# Altium PCB PCB22.PcbDoc (part 7 of 16) (continued)
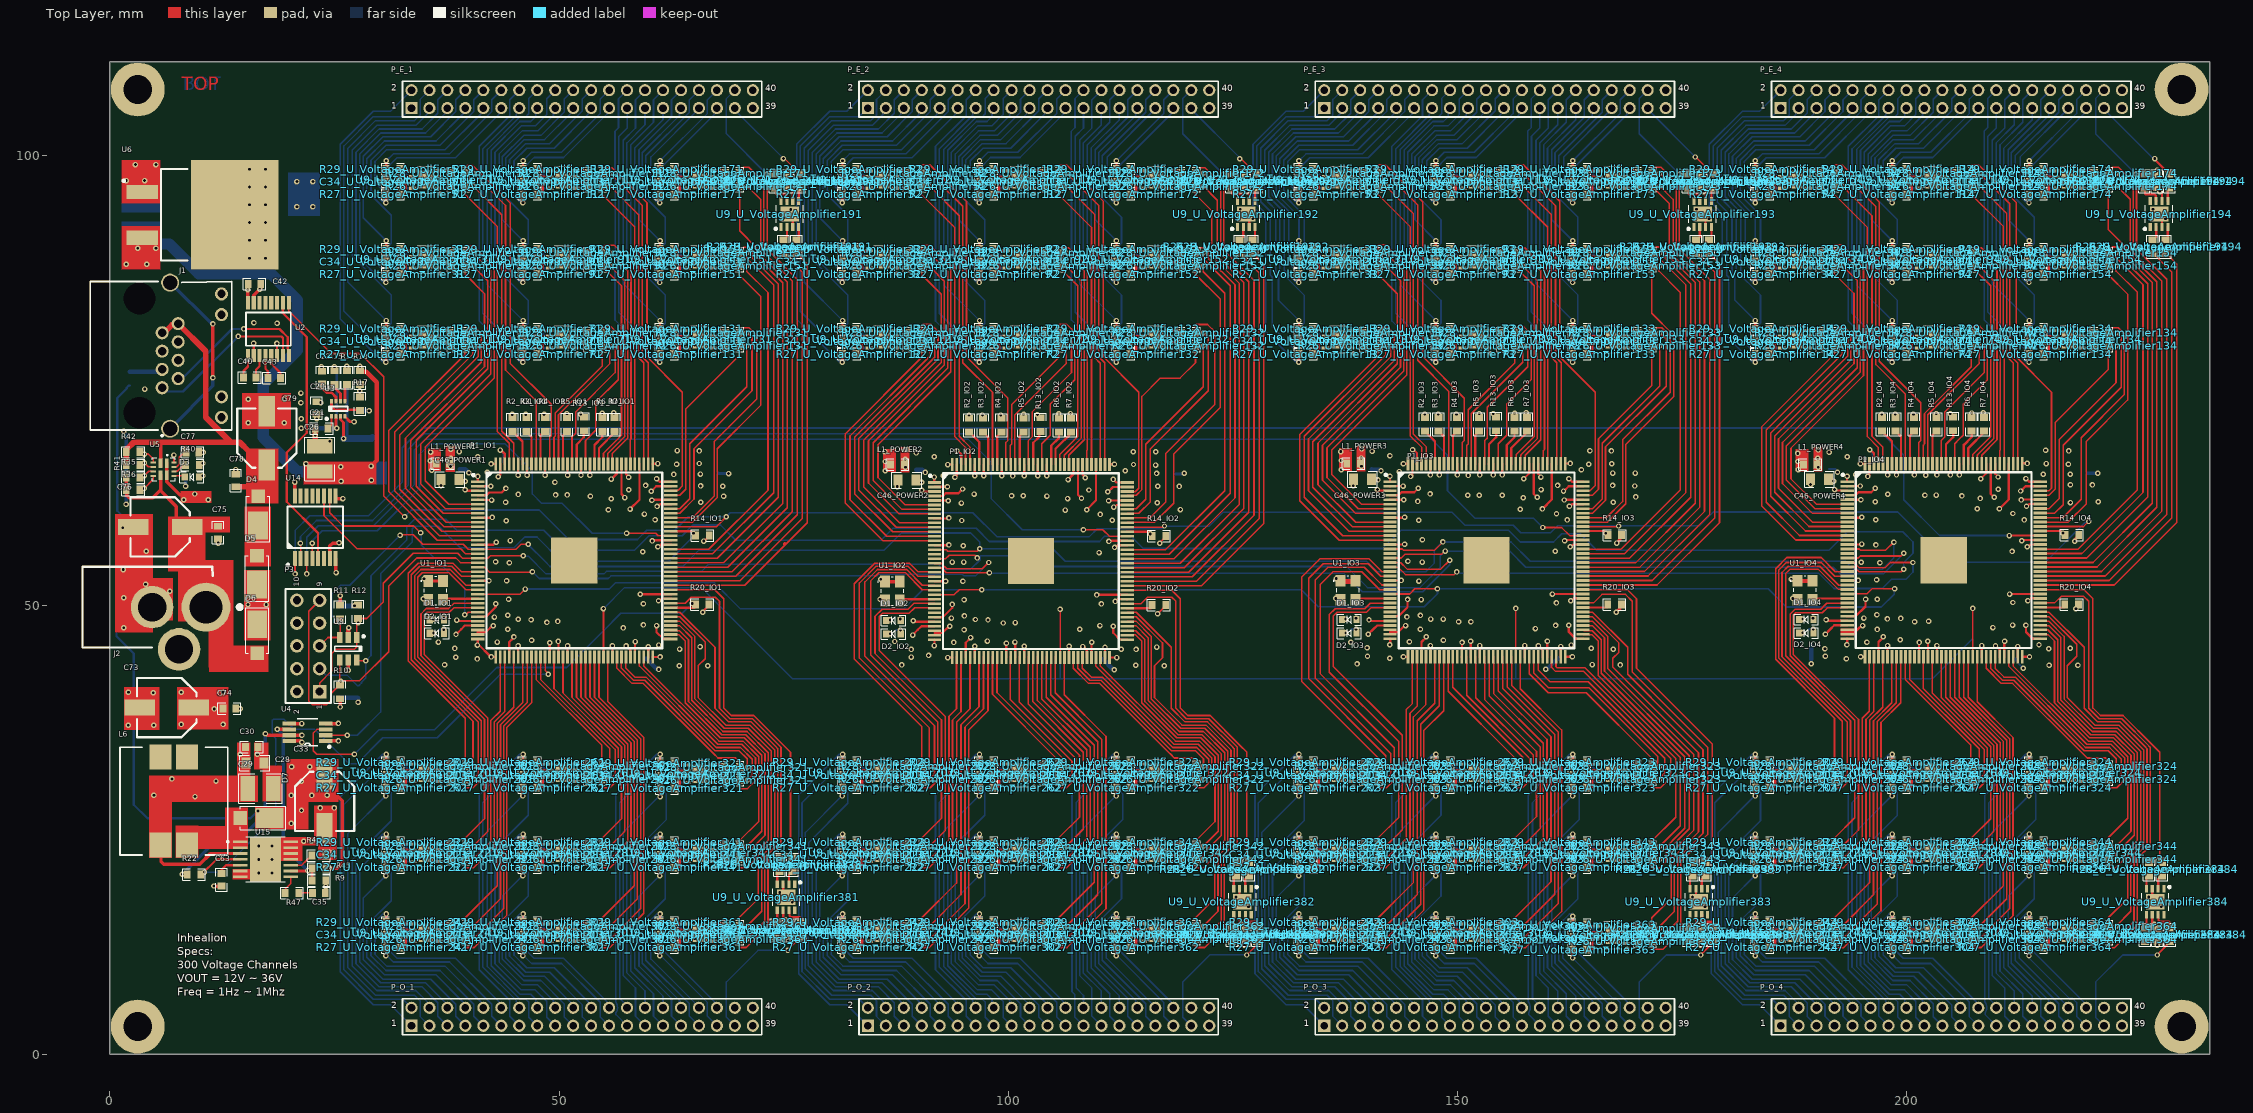
[diagram p0: Top Layer view]
## Nets (pads, with @x,y where several pads share a name; then routed paths per layer and width w, separated by ;. In a path a pad name is that pad's centre, name@x,y a point inside that pad or via, vN(x,y) a via of type N, cw(c..) or ccw(c..) an arc to the next point about the centre after c; other vN are vias at no path point) (continued)
GPIO_25_IO2: P1_IO2.100 R28_U_VoltageAmplifier132.1 | length 29.6
  Top Layer w0.178: P1_IO2.100@113.22,59.729 115.764,59.729 117.514,61.478 117.514,66.892 122.959,72.338 122.959,80.456 122.167,81.248 120.934,81.248 120.83,81.143 R28_U_VoltageAmplifier132.1@120.83,80.319
GPIO_25_IO3: P1_IO3.100 R28_U_VoltageAmplifier133.1 | length 28.4
  Top Layer w0.178: P1_IO3.100@164.02,59.729 166.564,59.729 168.369,61.533 168.369,68.402 173.677,73.71 173.677,79.944 172.73,80.891 172.138,80.891 171.63,80.383 R28_U_VoltageAmplifier133.1@171.63,80.319
  Top Layer w0.254: R28_U_VoltageAmplifier133.1@171.63,80.319 R28_U_VoltageAmplifier133.1@171.642,80.331
GPIO_25_IO4: P1_IO4.100 R28_U_VoltageAmplifier134.1 | length 28.2
  Top Layer w0.178: P1_IO4.100@214.82,59.729 217.364,59.729 219.415,61.78 219.415,68.649 224.221,73.454 224.221,80.201 223.53,80.891 222.938,80.891 222.43,80.383 R28_U_VoltageAmplifier134.1@222.43,80.319
  Top Layer w0.254: R28_U_VoltageAmplifier134.1@222.43,80.319 R28_U_VoltageAmplifier134.1@222.442,80.331
GPIO_26_IO1: P1_IO1.101 R26_U_VoltageAmplifier141.1 | length 25.5
  Top Layer w0.178: P1_IO1.101@62.42,60.229 63.427,60.229 65.013,61.815 65.013,67.407 71.465,73.859 71.465,79.748 v1(70.894,80.319)
  Bottom Layer w0.254: R26_U_VoltageAmplifier141.1@70.03,80.319 v1(70.894,80.319)
GPIO_26_IO2: P1_IO2.101 R26_U_VoltageAmplifier142.1 | length 25.7
  Top Layer w0.178: P1_IO2.101@113.22,60.229 114.52,60.229 115.813,61.522 115.813,67.407 122.265,73.859 122.265,79.748 v1(121.694,80.319)
  Bottom Layer w0.254: R26_U_VoltageAmplifier142.1@120.83,80.319 v1(121.694,80.319)
GPIO_26_IO3: P1_IO3.101 R26_U_VoltageAmplifier143.1 | length 25.7
  Top Layer w0.178: P1_IO3.101@164.02,60.229 165.027,60.229 166.471,61.673 166.471,67.632 173.215,74.376 173.215,79.598 v1(172.494,80.319)
  Bottom Layer w0.254: R26_U_VoltageAmplifier143.1@171.63,80.319 v1(172.494,80.319)
GPIO_26_IO4: P1_IO4.101 R26_U_VoltageAmplifier144.1 | length 25.9
  Top Layer w0.178: P1_IO4.101@214.82,60.229 216.448,60.229 217.413,61.194 217.413,67.801 223.865,74.253 223.865,79.748 v1(223.294,80.319)
  Bottom Layer w0.254: R26_U_VoltageAmplifier144.1@222.43,80.319 v1(223.294,80.319)
GPIO_27_IO1: P1_IO1.102 R28_U_VoltageAmplifier141.1 | length 23.1
  Top Layer w0.178: P1_IO1.102@62.42,60.729 63.424,60.729 64.537,61.842 64.537,67.963 70.894,74.32 v1(70.894,78.872)
  Bottom Layer w0.254: R28_U_VoltageAmplifier141.1@70.03,78.872 v1(70.894,78.872)
GPIO_27_IO2: P1_IO2.102 R28_U_VoltageAmplifier142.1 | length 23.1
  Top Layer w0.178: P1_IO2.102@113.22,60.729 114.224,60.729 115.28,61.785 115.28,67.913 121.694,74.327 v1(121.694,78.872)
  Bottom Layer w0.254: R28_U_VoltageAmplifier142.1@120.83,78.872 v1(121.694,78.872)
GPIO_27_IO3: P1_IO3.102 R28_U_VoltageAmplifier143.1 | length 23.1
  Top Layer w0.178: P1_IO3.102@164.02,60.729 165.024,60.729 166.115,61.82 166.115,68.022 172.494,74.4 v1(172.494,78.872)
  Bottom Layer w0.254: R28_U_VoltageAmplifier143.1@171.63,78.872 v1(172.494,78.872)
GPIO_27_IO4: P1_IO4.102 R28_U_VoltageAmplifier144.1 | length 23.1
  Top Layer w0.178: P1_IO4.102@214.82,60.729 215.824,60.729 216.978,61.883 216.978,68.432 223.294,74.748 v1(223.294,78.872)
  Bottom Layer w0.254: R28_U_VoltageAmplifier144.1@222.43,78.872 v1(223.294,78.872)
GPIO_28_IO1: P1_IO1.99 R26_U_VoltageAmplifier151.1 | length 35.1
  Top Layer w0.178: P1_IO1.99@62.42,59.229 64.845,59.229 67.599,61.983 67.599,67.417 72.462,72.28 72.462,84.345 70.018,86.789 70.018,87.75 R26_U_VoltageAmplifier151.1@70.03,87.762
GPIO_28_IO2: P1_IO2.99 R26_U_VoltageAmplifier152.1 | length 35.8
  Top Layer w0.178: P1_IO2.99@113.22,59.229 116.277,59.229 118.399,61.351 118.399,66.83 123.581,72.012 123.581,84.071 120.818,86.833 R26_U_VoltageAmplifier152.1@120.818,87.75
  Top Layer w0.254: R26_U_VoltageAmplifier152.1@120.818,87.75 R26_U_VoltageAmplifier152.1@120.83,87.762
GPIO_28_IO3: P1_IO3.99 R26_U_VoltageAmplifier153.1 | length 35.2
  Top Layer w0.178: P1_IO3.99@164.02,59.229 166.665,59.229 168.722,61.286 168.722,61.384 168.724,61.386 168.724,67.891 174.046,73.213 174.046,80.078 171.618,82.506 R26_U_VoltageAmplifier153.1@171.618,87.75
  Top Layer w0.254: R26_U_VoltageAmplifier153.1@171.618,87.75 R26_U_VoltageAmplifier153.1@171.63,87.762
GPIO_28_IO4: P1_IO4.99 R26_U_VoltageAmplifier154.1 | length 35.3
  Top Layer w0.178: P1_IO4.99@214.82,59.229 217.923,59.229 219.999,61.305 219.999,68.254 224.576,72.832 224.576,84.626 222.473,86.73 222.473,87.719 R26_U_VoltageAmplifier154.1@222.43,87.762
GPIO_29_IO1: P1_IO1.91 R28_U_VoltageAmplifier151.1 | length 45.4
  Top Layer w0.178: P1_IO1.91@62.42,55.229 62.425,55.224 67.61,55.224 74.395,62.009 74.395,85.74 71.527,88.608 71.527,89.422 71.102,89.847 70.51,89.847 70.002,89.339 R28_U_VoltageAmplifier151.1@70.002,89.275
  Top Layer w0.254: R28_U_VoltageAmplifier151.1@70.002,89.275 R28_U_VoltageAmplifier151.1@70.014,89.287
GPIO_29_IO2: P1_IO2.91 R28_U_VoltageAmplifier152.1 | length 45.4
  Top Layer w0.178: P1_IO2.91@113.248,55.163 113.253,55.158 118.438,55.158 125.223,61.943 125.223,85.674 122.265,88.632 122.265,89.446 121.93,89.781 121.226,89.781 121.122,89.677 121.122,89.501 R28_U_VoltageAmplifier152.1@120.83,89.209
GPIO_29_IO3: P1_IO3.91 R28_U_VoltageAmplifier153.1 | length 45.4
  Top Layer w0.178: P1_IO3.91@163.969,55.251 163.974,55.246 169.16,55.246 175.944,62.03 175.944,85.762 173.104,88.602 173.104,89.416 172.652,89.869 172.059,89.869 171.551,89.361 R28_U_VoltageAmplifier153.1@171.551,89.297
  Top Layer w0.254: R28_U_VoltageAmplifier153.1@171.551,89.297 R28_U_VoltageAmplifier153.1@171.563,89.309
GPIO_29_IO4: P1_IO4.91 R28_U_VoltageAmplifier154.1 | length 45.5
  Top Layer w0.178: P1_IO4.91@214.845,55.255 214.85,55.25 220.036,55.25 226.82,62.034 226.82,85.765 224.041,88.544 224.041,89.523 223.692,89.872 222.857,89.872 222.722,89.737 222.722,89.565 222.458,89.301 R28_U_VoltageAmplifier154.1@222.427,89.301
GPIO_30_IO1: P1_IO1.92 R26_U_VoltageAmplifier161.1 | length 43.1
  Top Layer w0.178: P1_IO1.92@62.42,55.729 62.425,55.724 67.072,55.724 73.872,62.524 73.872,85.629 70.866,88.636 v1@70.866,89.275
  Bottom Layer w0.254: R26_U_VoltageAmplifier161.1@70.03,89.209 v1(70.894,89.209)
GPIO_30_IO2: P1_IO2.92 R26_U_VoltageAmplifier162.1 | length 43.1
  Top Layer w0.178: P1_IO2.92@113.248,55.663 113.253,55.658 117.9,55.658 124.7,62.458 124.7,85.563 121.694,88.57 v1(121.694,89.209)
  Bottom Layer w0.254: R26_U_VoltageAmplifier162.1@120.83,89.209 v1(121.694,89.209)
GPIO_30_IO3: P1_IO3.92 R26_U_VoltageAmplifier163.1 | length 43.1
  Top Layer w0.178: P1_IO3.92@163.969,55.751 163.974,55.746 168.622,55.746 175.422,62.546 175.422,85.651 172.415,88.657 v1@172.415,89.297
  Bottom Layer w0.254: R26_U_VoltageAmplifier163.1@171.63,89.209 v1(172.494,89.209)
GPIO_30_IO4: P1_IO4.92 R26_U_VoltageAmplifier164.1 | length 43.1
  Top Layer w0.178: P1_IO4.92@214.845,55.755 214.85,55.75 219.498,55.75 226.298,62.55 226.298,85.655 223.291,88.661 v1@223.291,89.301
  Bottom Layer w0.254: R26_U_VoltageAmplifier164.1@222.43,89.209 v1(223.294,89.209)
GPIO_31_IO1: P1_IO1.93 R28_U_VoltageAmplifier161.1 | length 40.4
  Top Layer w0.178: P1_IO1.93@62.42,56.229 62.425,56.224 66.665,56.224 73.25,62.809 73.25,84.793 70.866,87.178 v1@70.866,87.828
  Bottom Layer w0.254: R28_U_VoltageAmplifier161.1@70.03,87.762 v1(70.894,87.762)
GPIO_31_IO2: P1_IO2.93 R28_U_VoltageAmplifier162.1 | length 40.4
  Top Layer w0.178: P1_IO2.93@113.248,56.163 113.253,56.158 117.493,56.158 124.078,62.743 124.078,84.727 121.694,87.112 v1(121.694,87.762)
  Bottom Layer w0.254: R28_U_VoltageAmplifier162.1@120.83,87.762 v1(121.694,87.762)
GPIO_31_IO3: P1_IO3.93 R28_U_VoltageAmplifier163.1 | length 40.4
  Top Layer w0.178: P1_IO3.93@163.969,56.251 163.974,56.246 168.215,56.246 174.8,62.831 174.8,84.815 172.415,87.2 v1@172.415,87.849
  Bottom Layer w0.254: R28_U_VoltageAmplifier163.1@171.63,87.762 v1(172.494,87.762)
GPIO_31_IO4: P1_IO4.93 R28_U_VoltageAmplifier164.1 | length 40.4
  Top Layer w0.178: P1_IO4.93@214.845,56.255 214.85,56.25 219.091,56.25 225.676,62.835 225.676,84.819 223.291,87.204 v1@223.291,87.853
  Bottom Layer w0.254: R28_U_VoltageAmplifier164.1@222.43,87.762 v1(223.294,87.762)
GPIO_32_IO1: P1_IO1.90 R26_U_VoltageAmplifier171.1 | length 52.6
  Top Layer w0.178: P1_IO1.90@62.42,54.729 62.425,54.724 68.303,54.724 74.892,61.313 74.892,85.884 71.973,88.804 71.973,89.79 70.089,91.674 70.089,96.593 R26_U_VoltageAmplifier171.1@70.03,96.652
GPIO_32_IO2: P1_IO2.90 R26_U_VoltageAmplifier172.1 | length 52.6
  Top Layer w0.178: P1_IO2.90@113.248,54.663 113.253,54.658 119.131,54.658 125.72,61.247 125.72,85.818 122.621,88.918 122.621,93.921 120.83,95.712 R26_U_VoltageAmplifier172.1@120.83,96.652
GPIO_32_IO3: P1_IO3.90 R26_U_VoltageAmplifier173.1 | length 52.6
  Top Layer w0.178: P1_IO3.90@163.969,54.751 163.974,54.746 169.852,54.746 176.442,61.335 176.442,85.906 173.562,88.786 173.562,94.72 171.986,96.296 171.922,96.296 171.63,96.588 R26_U_VoltageAmplifier173.1@171.63,96.652
GPIO_32_IO4: P1_IO4.90 R26_U_VoltageAmplifier174.1 | length 52.6
  Top Layer w0.178: P1_IO4.90@214.845,54.755 214.85,54.75 220.728,54.75 227.318,61.339 227.318,85.91 224.41,88.817 224.41,89.83 222.416,91.824 222.416,93.651 R26_U_VoltageAmplifier174.1@222.416,96.731
GPIO_33_IO1: P1_IO1.87 R28_U_VoltageAmplifier171.1 | length 59.2
  Top Layer w0.178: P1_IO1.87@62.42,53.229 62.425,53.224 69.652,53.224 76.509,60.081 76.509,86.243 73.149,89.604 73.149,96.691 71.102,98.737 70.51,98.737 70.002,98.229 R28_U_VoltageAmplifier171.1@70.002,98.165
  Top Layer w0.254: R28_U_VoltageAmplifier171.1@70.002,98.165 R28_U_VoltageAmplifier171.1@70.014,98.177
GPIO_33_IO2: P1_IO2.87 R28_U_VoltageAmplifier172.1 | length 59.2
  Top Layer w0.178: P1_IO2.87@113.248,53.163 113.253,53.158 120.48,53.158 127.337,60.015 127.337,86.177 123.976,89.538 123.976,96.625 121.93,98.671 121.338,98.671 120.83,98.163 R28_U_VoltageAmplifier172.1@120.83,98.099
  Top Layer w0.254: R28_U_VoltageAmplifier172.1@120.83,98.099 R28_U_VoltageAmplifier172.1@120.842,98.111
GPIO_33_IO3: P1_IO3.87 R28_U_VoltageAmplifier173.1 | length 59.2
  Top Layer w0.178: P1_IO3.87@163.969,53.251 163.974,53.246 171.201,53.246 178.059,60.103 178.059,86.265 174.698,89.626 174.698,96.712 172.652,98.759 172.059,98.759 171.551,98.251 R28_U_VoltageAmplifier173.1@171.551,98.187
  Top Layer w0.254: R28_U_VoltageAmplifier173.1@171.551,98.187 R28_U_VoltageAmplifier173.1@171.563,98.199
GPIO_33_IO4: P1_IO4.87 R28_U_VoltageAmplifier174.1 | length 59.2
  Top Layer w0.178: P1_IO4.87@214.845,53.255 214.85,53.25 222.078,53.25 228.935,60.107 228.935,86.269 225.574,89.629 225.574,96.716 223.528,98.762 222.935,98.762 222.427,98.254 R28_U_VoltageAmplifier174.1@222.427,98.191
  Top Layer w0.254: R28_U_VoltageAmplifier174.1@222.427,98.191 R28_U_VoltageAmplifier174.1@222.439,98.202
GPIO_34_IO1: P1_IO1.88 R26_U_VoltageAmplifier181.1 | length 57
  Top Layer w0.178: P1_IO1.88@62.42,53.729 62.425,53.724 69.247,53.724 75.937,60.415 75.937,86.074 72.793,89.219 72.793,96.238 v1@70.866,98.165
  Bottom Layer w0.254: R26_U_VoltageAmplifier181.1@70.03,98.099 v1(70.894,98.099)
GPIO_34_IO2: P1_IO2.88 R26_U_VoltageAmplifier182.1 | length 57
  Top Layer w0.178: P1_IO2.88@113.248,53.663 113.253,53.658 120.075,53.658 126.765,60.349 126.765,86.008 123.621,89.153 123.621,96.172 v1(121.694,98.099)
  Bottom Layer w0.254: R26_U_VoltageAmplifier182.1@120.83,98.099 v1(121.694,98.099)
GPIO_34_IO3: P1_IO3.88 R26_U_VoltageAmplifier183.1 | length 57
  Top Layer w0.178: P1_IO3.88@163.969,53.751 163.974,53.746 170.796,53.746 177.486,60.436 177.486,86.096 174.342,89.24 174.342,96.26 v1@172.415,98.187
  Bottom Layer w0.254: R26_U_VoltageAmplifier183.1@171.63,98.099 v1(172.494,98.099)
GPIO_34_IO4: P1_IO4.88 R26_U_VoltageAmplifier184.1 | length 57
  Top Layer w0.178: P1_IO4.88@214.845,53.755 214.85,53.75 221.672,53.75 228.363,60.44 228.363,86.1 225.218,89.244 225.218,96.264 v1@223.291,98.191
  Bottom Layer w0.254: R26_U_VoltageAmplifier184.1@222.43,98.099 v1(223.294,98.099)
GPIO_35_IO1: P1_IO1.89 R28_U_VoltageAmplifier181.1 | length 54.3
  Top Layer w0.178: P1_IO1.89@62.42,54.229 62.425,54.224 68.753,54.224 75.39,60.861 75.39,85.963 72.437,88.916 72.437,95.146 v1@70.866,96.718
  Bottom Layer w0.254: R28_U_VoltageAmplifier181.1@70.03,96.652 v1(70.894,96.652)
GPIO_35_IO2: P1_IO2.89 R28_U_VoltageAmplifier182.1 | length 54.3
  Top Layer w0.178: P1_IO2.89@113.248,54.163 113.253,54.158 119.581,54.158 126.218,60.795 126.218,85.897 123.265,88.85 123.265,95.08 v1(121.694,96.652)
  Bottom Layer w0.254: R28_U_VoltageAmplifier182.1@120.83,96.652 v1(121.694,96.652)
GPIO_35_IO3: P1_IO3.89 R28_U_VoltageAmplifier183.1 | length 54.3
  Top Layer w0.178: P1_IO3.89@163.969,54.251 163.974,54.246 170.302,54.246 176.939,60.883 176.939,85.985 173.987,88.937 173.987,95.168 v1@172.415,96.739
  Bottom Layer w0.254: R28_U_VoltageAmplifier183.1@171.63,96.652 v1(172.494,96.652)
GPIO_35_IO4: P1_IO4.89 R28_U_VoltageAmplifier184.1 | length 54.3
  Top Layer w0.178: P1_IO4.89@214.845,54.255 214.85,54.25 221.178,54.25 227.815,60.887 227.815,85.989 224.863,88.941 224.863,95.171 v1@223.291,96.743
  Bottom Layer w0.254: R28_U_VoltageAmplifier184.1@222.43,96.652 v1(223.294,96.652)
GPIO_36_IO1: P1_IO1.86 R26_U_VoltageAmplifier191.1 | length 48
  Top Layer w0.178: P1_IO1.86@62.42,52.729 62.425,52.724 70.124,52.724 77.082,59.682 77.082,87.056 R26_U_VoltageAmplifier191.1@74.924,89.214
GPIO_36_IO2: P1_IO2.86 R26_U_VoltageAmplifier192.1 | length 48
  Top Layer w0.178: P1_IO2.86@113.248,52.663 113.253,52.658 120.952,52.658 127.91,59.616 127.91,86.99 R26_U_VoltageAmplifier192.1@125.752,89.148
GPIO_36_IO3: P1_IO3.86 R26_U_VoltageAmplifier193.1 | length 48
  Top Layer w0.178: P1_IO3.86@163.969,52.751 163.974,52.746 171.673,52.746 178.631,59.703 178.631,87.078 R26_U_VoltageAmplifier193.1@176.473,89.236
GPIO_36_IO4: P1_IO4.86 R26_U_VoltageAmplifier194.1 | length 48
  Top Layer w0.178: P1_IO4.86@214.845,52.755 214.85,52.75 222.549,52.75 229.507,59.707 229.507,87.081 R26_U_VoltageAmplifier194.1@227.349,89.239
GPIO_37_IO1: P1_IO1.85 R28_U_VoltageAmplifier191.1 | length 48.6
  Top Layer w0.178: P1_IO1.85@62.42,52.229 62.425,52.224 70.662,52.224 77.604,59.166 77.604,87.981 R28_U_VoltageAmplifier191.1@76.371,89.214
  Top Layer w0.381: 75.087,56.839 75.105,56.822
GPIO_37_IO2: P1_IO2.85 R28_U_VoltageAmplifier192.1 | length 48.6
  Top Layer w0.178: P1_IO2.85@113.248,52.163 113.253,52.158 121.49,52.158 128.432,59.1 128.432,87.915 R28_U_VoltageAmplifier192.1@127.199,89.148
GPIO_37_IO3: P1_IO3.85 R28_U_VoltageAmplifier193.1 | length 48.6
  Top Layer w0.178: P1_IO3.85@163.969,52.251 163.974,52.246 172.211,52.246 179.153,59.188 179.153,88.003 R28_U_VoltageAmplifier193.1@177.921,89.236
GPIO_37_IO4: P1_IO4.85 R28_U_VoltageAmplifier194.1 | length 48.6
  Top Layer w0.178: P1_IO4.85@214.845,52.255 214.85,52.25 223.087,52.25 230.029,59.192 230.029,88.007 R28_U_VoltageAmplifier194.1@228.797,89.239
GPIO_38_IO1: P1_IO1.25 R26_U_VoltageAmplifier201.1 | length 36.2
  Top Layer w0.178: R26_U_VoltageAmplifier201.1@39.538,30.6 39.538,29.776 39.643,29.672 40.422,29.672 41.341,30.591 41.341,37.152 34.264,44.229 34.264,53.104 34.772,53.612 37.743,53.612 39.626,51.729 P1_IO1.25@40.944,51.729
  Top Layer w0.254: R26_U_VoltageAmplifier201.1@39.538,30.6 R26_U_VoltageAmplifier201.1@39.55,30.612
GPIO_38_IO2: P1_IO2.25 R26_U_VoltageAmplifier202.1 | length 36.6
  Top Layer w0.178: R26_U_VoltageAmplifier202.1@90.338,30.6 90.338,29.776 90.443,29.672 91.304,29.672 92.141,30.508 92.141,37.004 84.665,44.48 84.665,52.705 85.572,53.612 88.543,53.612 90.426,51.729 P1_IO2.25@91.744,51.729
  Top Layer w0.254: R26_U_VoltageAmplifier202.1@90.338,30.6 R26_U_VoltageAmplifier202.1@90.35,30.612
GPIO_38_IO3: P1_IO3.25 R26_U_VoltageAmplifier203.1 | length 37.4
  Top Layer w0.178: R26_U_VoltageAmplifier203.1@141.15,30.612 141.15,29.788 141.254,29.683 142.091,29.683 142.941,30.533 142.941,34.143 134.733,42.351 134.733,52.341 136.128,53.736 139.348,53.736 141.354,51.729 P1_IO3.25@142.544,51.729
GPIO_38_IO4: P1_IO4.25 R26_U_VoltageAmplifier204.1 | length 36.9
  Top Layer w0.178: R26_U_VoltageAmplifier204.1@191.938,30.6 191.938,29.776 192.043,29.672 192.801,29.672 193.741,30.612 193.741,37.152 186.534,44.359 186.534,53.539 186.976,53.981 190.164,53.981 192.39,51.755 P1_IO4.25@193.369,51.755
  Top Layer w0.254: R26_U_VoltageAmplifier204.1@191.938,30.6 R26_U_VoltageAmplifier204.1@191.95,30.612
GPIO_39_IO1: P1_IO1.21 R28_U_VoltageAmplifier201.1 | length 32.7
  Top Layer w0.178: R28_U_VoltageAmplifier201.1@39.562,32.071 39.562,37.422 33.197,43.787 33.197,53.546 34.33,54.679 38.185,54.679 39.135,53.729 P1_IO1.21@40.944,53.729
  Top Layer w0.254: R28_U_VoltageAmplifier201.1@39.55,32.059 R28_U_VoltageAmplifier201.1@39.562,32.071
GPIO_39_IO2: P1_IO2.21 R28_U_VoltageAmplifier202.1 | length 33.7
  Top Layer w0.178: R28_U_VoltageAmplifier202.1@90.35,32.059 90.362,32.071 90.362,36.509 82.847,44.023 82.847,52.396 85.13,54.679 88.985,54.679 89.935,53.729 P1_IO2.21@91.744,53.729
GPIO_39_IO3: P1_IO3.21 R28_U_VoltageAmplifier203.1 | length 35.9
  Top Layer w0.178: R28_U_VoltageAmplifier203.1@141.162,32.071 141.162,32.988 132.675,41.474 132.675,53.182 134.647,55.153 140.17,55.153 141.593,53.729 P1_IO3.21@142.544,53.729
  Top Layer w0.254: R28_U_VoltageAmplifier203.1@141.15,32.059 R28_U_VoltageAmplifier203.1@141.162,32.071
GPIO_39_IO4: P1_IO4.21 R28_U_VoltageAmplifier204.1 | length 33.8
  Top Layer w0.178: R28_U_VoltageAmplifier204.1@191.95,32.059 191.962,32.071 191.962,37.422 185.406,43.978 185.406,54.063 186.648,55.304 190.472,55.304 192.047,53.729 P1_IO4.21@193.344,53.729
GPIO_40_IO1: P1_IO1.22 R26_U_VoltageAmplifier211.1 | length 33.3
  Top Layer w0.178: v1(40.414,32.059) 40.414,37.073 33.553,43.934 33.553,53.399 34.477,54.323 38.038,54.323 39.132,53.229 P1_IO1.22@40.944,53.229
  Bottom Layer w0.254: R26_U_VoltageAmplifier211.1@39.55,32.059 v1(40.414,32.059)
GPIO_40_IO2: P1_IO2.22 R26_U_VoltageAmplifier212.1 | length 34
  Top Layer w0.178: v1(91.214,32.059) 91.214,36.331 83.425,44.119 83.425,52.471 85.277,54.323 88.838,54.323 89.932,53.229 P1_IO2.22@91.744,53.229
  Bottom Layer w0.254: R26_U_VoltageAmplifier212.1@90.35,32.059 v1(91.214,32.059)
GPIO_40_IO3: P1_IO3.22 R26_U_VoltageAmplifier213.1 | length 35.7
  Top Layer w0.178: v1(142.014,32.059) 142.014,33.244 133.429,41.829 133.429,52.998 135.053,54.622 140.066,54.622 141.459,53.229 P1_IO3.22@142.544,53.229
  Bottom Layer w0.254: R26_U_VoltageAmplifier213.1@141.15,32.059 v1(142.014,32.059)
GPIO_40_IO4: P1_IO4.22 R26_U_VoltageAmplifier214.1 | length 34.2
  Top Layer w0.178: v1(192.814,32.059) 192.814,37.073 185.761,44.126 185.761,53.915 186.598,54.752 190.472,54.752 191.995,53.229 P1_IO4.22@193.344,53.229
  Bottom Layer w0.254: R26_U_VoltageAmplifier214.1@191.95,32.059 v1(192.814,32.059)
GPIO_41_IO1: P1_IO1.24 R28_U_VoltageAmplifier211.1 | length 34.7
  Top Layer w0.178: v1(40.414,30.612) 40.985,31.183 40.985,37.005 33.909,44.081 33.909,53.252 34.625,53.968 37.89,53.968 39.629,52.229 P1_IO1.24@40.944,52.229
  Bottom Layer w0.254: R28_U_VoltageAmplifier211.1@39.55,30.612 v1(40.414,30.612)
GPIO_41_IO2: P1_IO2.24 R28_U_VoltageAmplifier212.1 | length 35.3
  Top Layer w0.178: v1(91.214,30.612) 91.785,31.183 91.785,36.57 84.037,44.318 84.037,52.58 85.425,53.968 88.69,53.968 90.429,52.229 P1_IO2.24@91.744,52.229
  Bottom Layer w0.254: R28_U_VoltageAmplifier212.1@90.35,30.612 v1(91.214,30.612)
GPIO_41_IO3: P1_IO3.24 R28_U_VoltageAmplifier213.1 | length 36.6
  Top Layer w0.178: v1(142.014,30.612) 142.585,31.183 142.585,33.455 134.153,41.887 134.153,52.81 135.573,54.23 139.616,54.23 141.593,52.252 P1_IO3.24@142.521,52.252
  Bottom Layer w0.254: R28_U_VoltageAmplifier213.1@141.15,30.612 v1(142.014,30.612)
GPIO_41_IO4: P1_IO4.24 R28_U_VoltageAmplifier214.1 | length 35.5
  Top Layer w0.178: v1(192.814,30.612) 193.385,31.183 193.385,37.005 186.117,44.273 186.117,53.638 186.815,54.336 190.312,54.336 192.419,52.229 P1_IO4.24@193.344,52.229
  Bottom Layer w0.254: R28_U_VoltageAmplifier214.1@191.95,30.612 v1(192.814,30.612)
GPIO_42_IO1: P1_IO1.39 R26_U_VoltageAmplifier221.1 | length 26.7
  Top Layer w0.178: R26_U_VoltageAmplifier221.1@39.55,21.722 39.55,20.898 39.654,20.793 40.495,20.793 42.763,23.061 42.763,36.99 43.932,38.159 P1_IO1.39@43.932,44.241
GPIO_42_IO2: P1_IO2.39 R26_U_VoltageAmplifier222.1 | length 26.7
  Top Layer w0.178: R26_U_VoltageAmplifier222.1@90.338,21.71 90.338,20.886 90.443,20.782 91.173,20.782 93.786,23.395 93.786,37.213 94.732,38.159 P1_IO2.39@94.732,44.241
  Top Layer w0.254: R26_U_VoltageAmplifier222.1@90.338,21.71 R26_U_VoltageAmplifier222.1@90.35,21.722
GPIO_42_IO3: P1_IO3.39 R26_U_VoltageAmplifier223.1 | length 26.7
  Top Layer w0.178: R26_U_VoltageAmplifier223.1@141.15,21.722 141.15,20.898 141.254,20.793 142.041,20.793 144.71,23.463 144.71,37.965 145.494,38.749 145.494,44.25 P1_IO3.39@145.481,44.263
GPIO_42_IO4: P1_IO4.39 R26_U_VoltageAmplifier224.1 | length 26.7
  Top Layer w0.178: R26_U_VoltageAmplifier224.1@191.95,21.722 191.95,20.898 192.054,20.793 192.954,20.793 195.462,23.302 195.462,37.289 196.332,38.159 P1_IO4.39@196.332,44.241
GPIO_43_IO1: P1_IO1.28 R28_U_VoltageAmplifier221.1 | length 36.5
  Top Layer w0.178: R28_U_VoltageAmplifier221.1@39.55,23.169 39.562,23.181 39.562,24.098 41.696,26.232 41.696,37.299 34.62,44.376 34.62,49.032 35.218,49.631 37.695,49.631 38.293,50.229 P1_IO1.28@40.944,50.229
GPIO_43_IO2: P1_IO2.28 R28_U_VoltageAmplifier222.1 | length 36.8
  Top Layer w0.178: R28_U_VoltageAmplifier222.1@90.35,23.169 90.362,23.181 90.362,24.098 92.563,26.299 92.563,37.232 85.16,44.635 85.16,48.772 85.95,49.562 88.822,49.562 89.489,50.229 P1_IO2.28@91.744,50.229
GPIO_43_IO3: P1_IO3.28 R28_U_VoltageAmplifier223.1 | length 37.3
  Top Layer w0.178: R28_U_VoltageAmplifier223.1@141.15,23.169 141.15,24.086 143.44,26.376 143.44,34.831 135.722,42.55 135.722,48.958 136.376,49.613 139.673,49.613 140.289,50.229 P1_IO3.28@142.544,50.229
GPIO_43_IO4: P1_IO4.28 R28_U_VoltageAmplifier224.1 | length 36.6
  Top Layer w0.178: R28_U_VoltageAmplifier224.1@191.95,23.169 191.95,24.086 194.2,26.336 194.2,37.195 187.02,44.376 187.02,49.032 187.55,49.562 190.422,49.562 191.089,50.229 P1_IO4.28@193.344,50.229
GPIO_44_IO1: P1_IO1.29 R26_U_VoltageAmplifier231.1 | length 36.5
  Top Layer w0.178: v1(40.414,23.169) 42.052,24.808 42.052,37.447 34.975,44.523 34.975,48.885 35.302,49.211 37.778,49.211 38.296,49.729 P1_IO1.29@40.944,49.729
  Bottom Layer w0.254: R26_U_VoltageAmplifier231.1@39.55,23.169 v1(40.414,23.169)
GPIO_44_IO2: P1_IO2.29 R26_U_VoltageAmplifier232.1 | length 36.7
  Top Layer w0.178: v1(91.214,23.169) 92.996,24.952 92.996,37.597 85.639,44.954 85.639,48.749 86.003,49.112 88.95,49.112 89.567,49.729 P1_IO2.29@91.744,49.729
  Bottom Layer w0.254: R26_U_VoltageAmplifier232.1@90.35,23.169 v1(91.214,23.169)
GPIO_44_IO3: P1_IO3.29 R26_U_VoltageAmplifier233.1 | length 37.2
  Top Layer w0.178: v1(142.014,23.169) 143.83,24.986 143.83,35.514 136.176,43.168 136.176,48.801 136.596,49.221 139.858,49.221 140.367,49.729 P1_IO3.29@142.544,49.729
  Bottom Layer w0.254: R26_U_VoltageAmplifier233.1@141.15,23.169 v1(142.014,23.169)
GPIO_44_IO4: P1_IO4.29 R26_U_VoltageAmplifier234.1 | length 36.7
  Top Layer w0.178: v1(192.814,23.169) 194.627,24.983 194.627,37.272 187.375,44.523 187.375,48.885 187.641,49.151 190.588,49.151 191.167,49.729 P1_IO4.29@193.344,49.729
  Bottom Layer w0.254: R26_U_VoltageAmplifier234.1@191.95,23.169 v1(192.814,23.169)
GPIO_45_IO1: P1_IO1.38 R28_U_VoltageAmplifier231.1 | length 24.6
  Top Layer w0.178: v1(40.414,21.722) 42.407,23.715 42.407,37.184 43.432,38.208 P1_IO1.38@43.432,44.241
  Bottom Layer w0.254: R28_U_VoltageAmplifier231.1@39.55,21.722 v1(40.414,21.722)
GPIO_45_IO2: P1_IO2.38 R28_U_VoltageAmplifier232.1 | length 24.6
  Top Layer w0.178: v1(91.214,21.722) 93.391,23.899 93.391,37.635 94.232,38.476 P1_IO2.38@94.232,44.241
  Bottom Layer w0.254: R28_U_VoltageAmplifier232.1@90.35,21.722 v1(91.214,21.722)
GPIO_45_IO3: P1_IO3.38 R28_U_VoltageAmplifier233.1 | length 24.6
  Top Layer w0.178: v1(142.014,21.722) 144.304,24.012 144.304,38.389 144.974,39.059 144.974,44.255 P1_IO3.38@144.981,44.263
  Bottom Layer w0.254: R28_U_VoltageAmplifier233.1@141.15,21.722 v1(142.014,21.722)
GPIO_45_IO4: P1_IO4.38 R28_U_VoltageAmplifier234.1 | length 24.6
  Top Layer w0.178: v1(192.814,21.722) 195.039,23.947 195.039,37.368 195.053,37.382 195.053,37.429 195.832,38.208 P1_IO4.38@195.832,44.241
  Bottom Layer w0.254: R28_U_VoltageAmplifier234.1@191.95,21.722 v1(192.814,21.722)
GPIO_46_IO1: P1_IO1.45 R26_U_VoltageAmplifier241.1 | length 36.9
  Top Layer w0.178: R26_U_VoltageAmplifier241.1@39.55,12.832 39.55,12.008 39.654,11.903 40.561,11.903 44.185,15.528 44.185,36.4 46.932,39.147 P1_IO1.45@46.932,44.241
GPIO_46_IO2: P1_IO2.45 R26_U_VoltageAmplifier242.1 | length 36.8
  Top Layer w0.178: R26_U_VoltageAmplifier242.1@90.35,12.832 90.35,12.008 90.454,11.903 91.203,11.903 95.592,16.293 95.592,36.111 97.732,38.251 P1_IO2.45@97.732,44.241
GPIO_46_IO3: P1_IO3.45 R26_U_VoltageAmplifier243.1 | length 36.9
  Top Layer w0.178: R26_U_VoltageAmplifier243.1@141.138,12.82 141.138,11.996 141.243,11.892 142.089,11.892 146.258,16.061 146.258,36.07 148.454,38.265 148.454,44.235 P1_IO3.45@148.481,44.263
  Top Layer w0.254: R26_U_VoltageAmplifier243.1@141.138,12.82 R26_U_VoltageAmplifier243.1@141.15,12.832
GPIO_46_IO4: P1_IO4.45 R26_U_VoltageAmplifier244.1 | length 36.9
  Top Layer w0.178: R26_U_VoltageAmplifier244.1@191.938,12.82 191.938,11.996 192.043,11.892 192.999,11.892 197.129,16.022 197.129,36.944 199.332,39.147 P1_IO4.45@199.332,44.241
  Top Layer w0.254: R26_U_VoltageAmplifier244.1@191.938,12.82 R26_U_VoltageAmplifier244.1@191.95,12.832
GPIO_47_IO1: P1_IO1.41 R28_U_VoltageAmplifier241.1 | length 32.2
  Top Layer w0.178: R28_U_VoltageAmplifier241.1@39.55,14.279 39.562,14.291 39.562,15.208 43.119,18.765 43.119,36.842 44.932,38.656 P1_IO1.41@44.932,44.241
GPIO_47_IO2: P1_IO2.41 R28_U_VoltageAmplifier242.1 | length 32.2
  Top Layer w0.178: R28_U_VoltageAmplifier242.1@90.35,14.279 90.362,14.291 90.362,15.208 94.238,19.083 94.238,36.976 95.732,38.471 P1_IO2.41@95.732,44.241
GPIO_47_IO3: P1_IO3.41 R28_U_VoltageAmplifier243.1 | length 32.2
  Top Layer w0.178: R28_U_VoltageAmplifier243.1@141.162,14.291 141.162,15.208 145.088,19.134 145.088,37.555 146.48,38.947 P1_IO3.41@146.481,44.263 P1_IO3.41@146.481,44.263
  Top Layer w0.254: R28_U_VoltageAmplifier243.1@141.15,14.279 R28_U_VoltageAmplifier243.1@141.162,14.291
GPIO_47_IO4: P1_IO4.41 R28_U_VoltageAmplifier244.1 | length 32.2
  Top Layer w0.178: R28_U_VoltageAmplifier244.1@191.95,14.279 191.95,15.196 195.889,19.135 195.889,37.212 197.332,38.656 P1_IO4.41@197.332,44.241
GPIO_48_IO1: P1_IO1.43 R26_U_VoltageAmplifier251.1 | length 33.1
  Top Layer w0.178: v1(40.414,14.279) 43.474,17.34 43.474,36.695 45.932,39.153 P1_IO1.43@45.932,44.241
  Bottom Layer w0.254: R26_U_VoltageAmplifier251.1@39.55,14.279 v1(40.414,14.279)
GPIO_48_IO2: P1_IO2.43 R26_U_VoltageAmplifier252.1 | length 33.1
  Top Layer w0.178: v1(91.214,14.279) 94.727,17.792 94.727,36.694 96.732,38.7 P1_IO2.43@96.732,44.241
  Bottom Layer w0.254: R26_U_VoltageAmplifier252.1@90.35,14.279 v1(91.214,14.279)
GPIO_48_IO3: P1_IO3.43 R26_U_VoltageAmplifier253.1 | length 33.1
  Top Layer w0.178: v1(142.014,14.279) 145.522,17.788 145.522,37.143 147.454,39.074 147.454,44.235 P1_IO3.43@147.481,44.263
  Bottom Layer w0.254: R26_U_VoltageAmplifier253.1@141.15,14.279 v1(142.014,14.279)